# Altium PCB PCB2.PcbDoc
Units mil, origin at the board's own origin, x right, y up, seen from the top; angles counter-clockwise.
Board outline 2955 x 3770 mil, 2 copper layers (Top Layer, Bottom Layer); 101 components, 62 nets, 361 pads, 243 vias.
Unrouted connection lines stored in the file: 1.
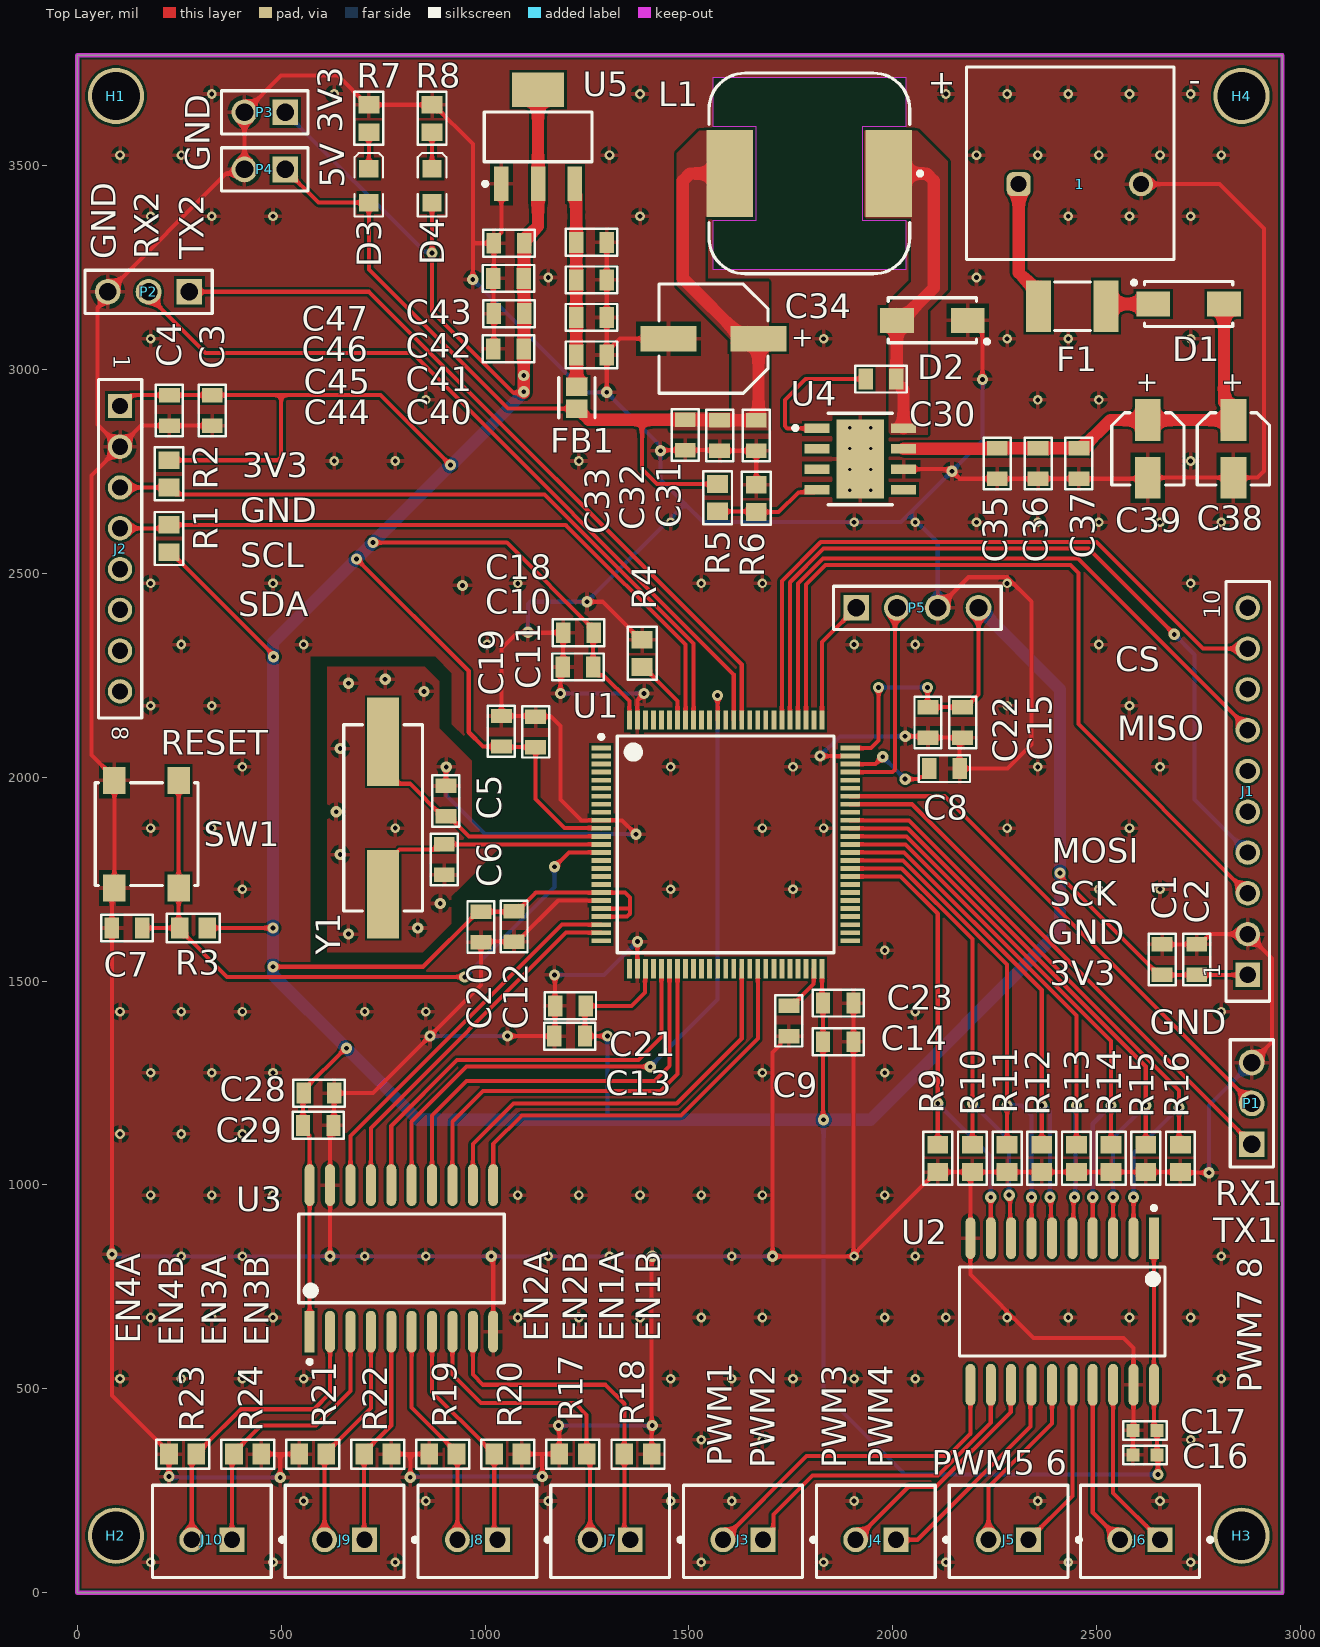
[diagram p0: Top Layer view]
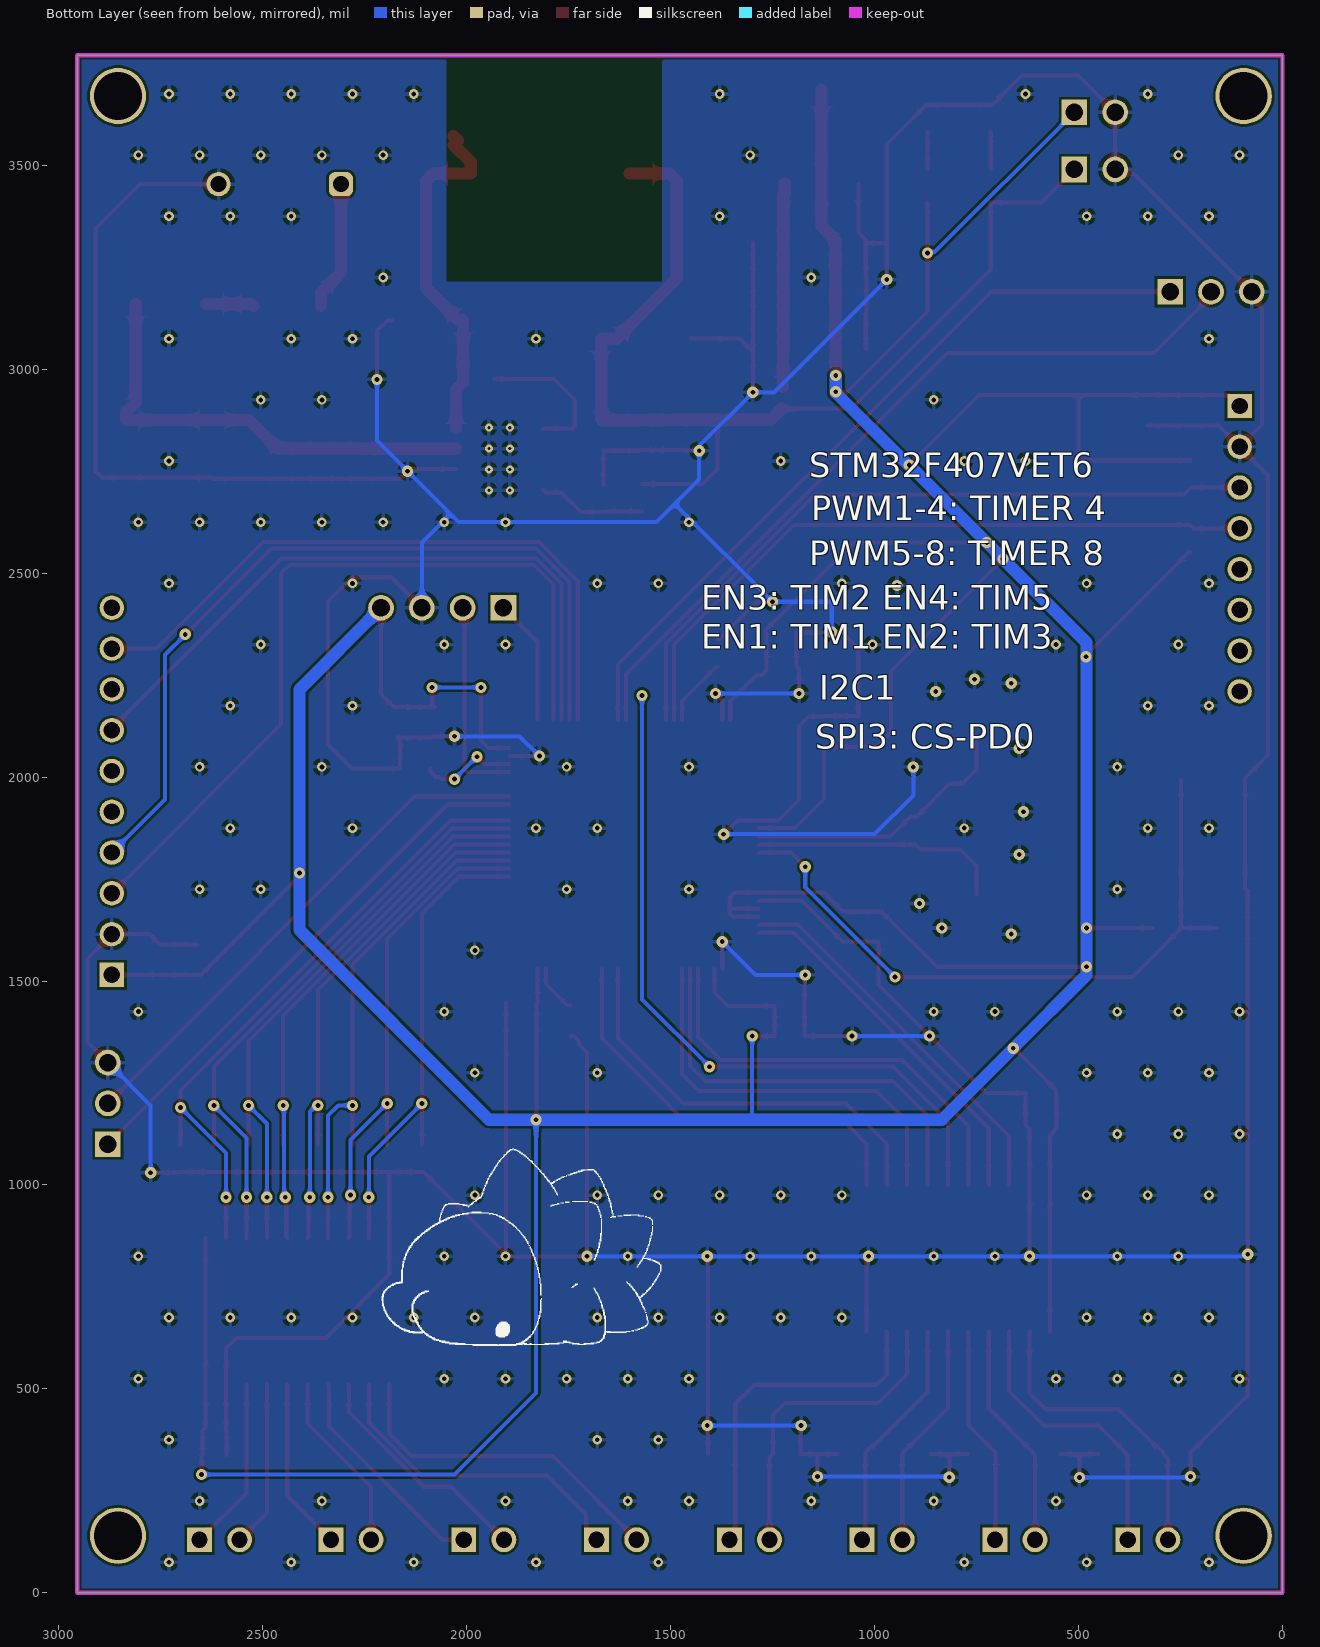
[diagram p1: Bottom Layer view, seen from below]
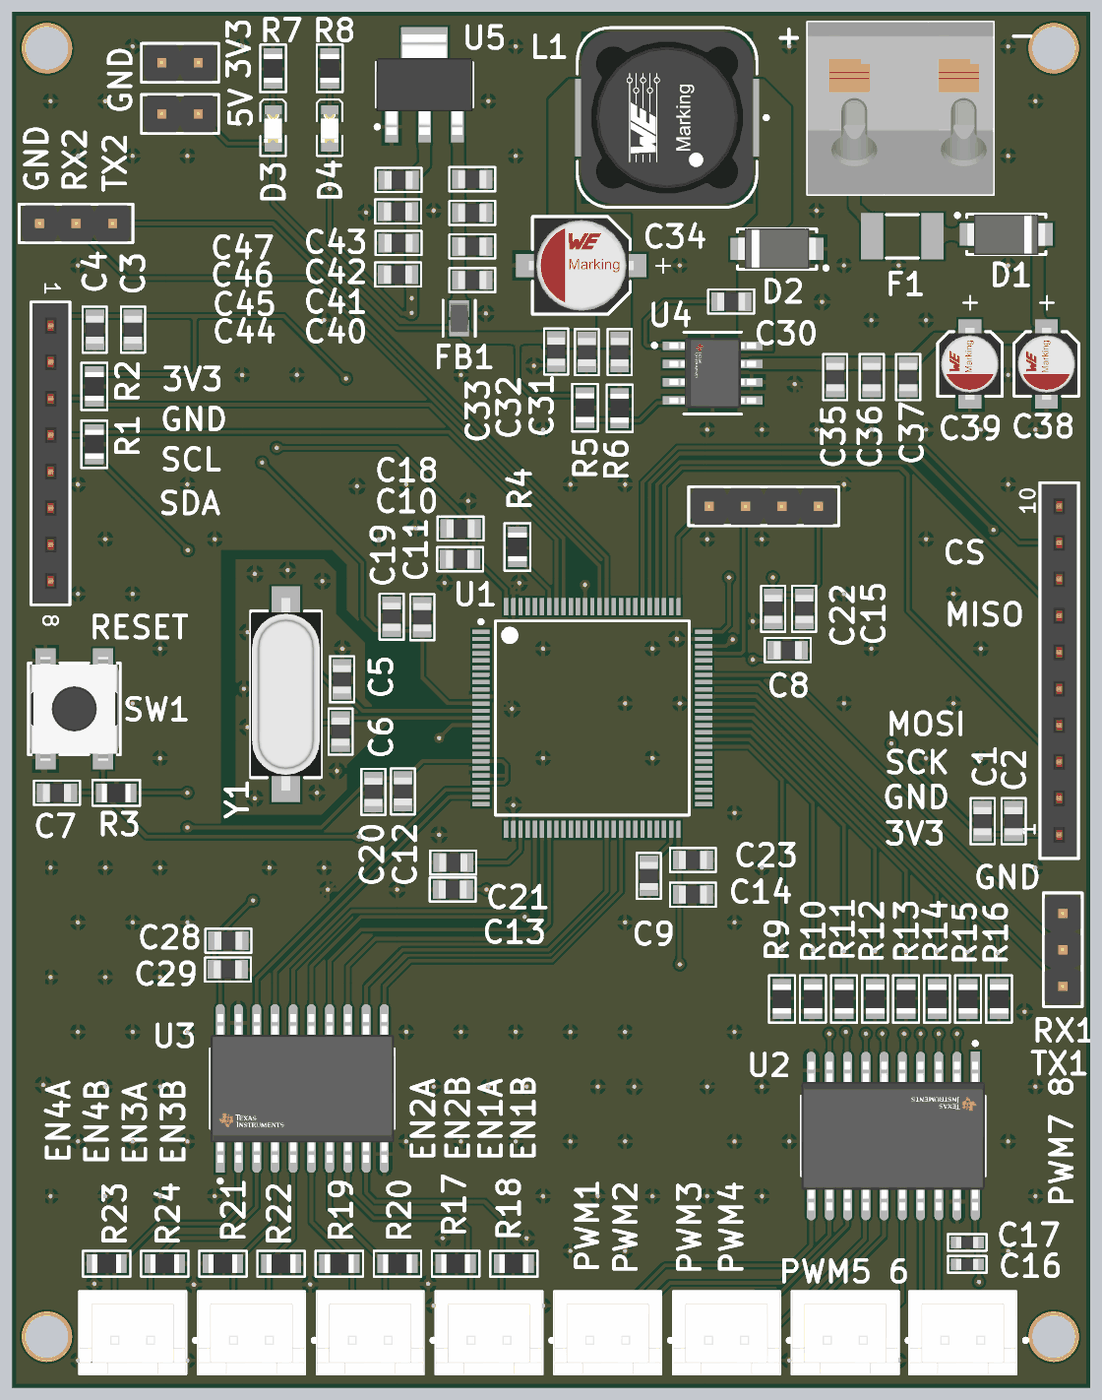
[diagram p2: 3D render of the assembled board from above, using the file's embedded part models]

## Layer stack, top to bottom
Top Solder: solder mask 0.4, Solder Resist, Dk 3.5
Top Layer: signal copper 1.4
Dielectric 1: dielectric 12.6, FR-4, Dk 4.8
Bottom Layer: signal copper 1.4
Bottom Solder: solder mask 0.4, Solder Resist, Dk 3.5

## Board outline
0,0 0,3770 2955,3770 2955,0

## Design rules (kind name [scope] priority, off if disabled: settings)
Clearance [All] p1: gap=6 ignorepadtopadclearanceinfootprint=FALSE
HoleSize [All] p1: absolutevalues=TRUE maxlimit=100 minlimit=11.81 maxpercent=80.000 minpercent=20.000
PolygonConnect [All] p1: connectstyle=Relief reliefconductorwidth=10 reliefentries=4 polygonreliefangle="90 Angle" airgapwidth=10
RoutingVias [All] p1: holewidth=11.81 width=23.62 viastyle="Through Hole" minholewidth=11.81 minwidth=23.62 maxholewidth=11.81 maxwidth=27.56
SolderMaskExpansion [IsVia] p1: expansion=4 istentingtop=TRUE
Width [All] p1: maxlimit=30 minlimit=10 preferedwidth=10 minimp=50.000000 maximp=50.000000 favimp=50.000000
29 further rules are at their usual default settings.

## Classes and differential pairs
component class Power: 1 C30 C31 C32 C33 C34 C35 C36 C37 C38 C39 C40 C41 C42 C43 C44 C45 C46 C47 D1 D2 D3 D4 F1 FB1 H1 H2 H3 H4 L1 R5 R6 R7 R8 U4 U5
component class Motor: C16 C17 C28 C29 J3 J4 J5 J6 J7 J8 J9 J10 R9 R10 R11 R12 R13 R14 R15 R16 R17 R18 R19 R20 R21 R22 R23 R24 U2 U3
component class MCU: C5 C6 C7 C8 C9 C10 C11 C12 C13 C14 C15 C18 C19 C20 C21 C22 C23 P5 R3 R4 SW1 U1 Y1
component class IMU: C1 C2 C3 C4 J1 J2 P1 P2 P3 P4 R1 R2

## Components (designator, comment, footprint, x,y, rotation, side; value= is the part's Value field where it differs from the comment)
1 "4A, 300V" 691418420002 2435,3505 r0 top
C1 "1 uF, 16 VDC" CAP_0805 2661,1551.4 r270 top
C2 "100 nF, 50 VDC" CAP_0805 2746,1551.4 r270 top value="10 nF, 50 VDC"
C3 "1 uF, 16 VDC" CAP_0805 330,2900 r90 top
C4 "100 nF, 50 VDC" CAP_0805 225,2900 r90 top value="10 nF, 50 VDC"
C5 "22 pF, 50 VDC" CAP_0805 905,1940 r270 top value="22 nF, 50 VDC"
C6 "22 pF, 50 VDC" CAP_0805 899,1798.6 r90 top value="22 nF, 50 VDC"
C7 "100 nF, 50 VDC" CAP_0805 123.4,1631 r0 top value="150 nF, 50 VDC"
C8 "2.2 uF, 25 VDC" CAP_0805 2125,2020 r180 top
C9 "2.2 uF, 25 VDC" CAP_0805 1744,1403.4 r90 top
C10 "100 nF, 50 VDC" CAP_0805 1228.6,2271 r0 top value="10 nF, 50 VDC"
C11 "100 nF, 50 VDC" CAP_0805 1125,2110 r270 top value="10 nF, 50 VDC"
C12 "100 nF, 50 VDC" CAP_0805 1070,1635 r90 top value="10 nF, 50 VDC"
C13 "100 nF, 50 VDC" CAP_0805 1208.6,1366 r0 top value="10 nF, 50 VDC"
C14 "100 nF, 50 VDC" CAP_0805 1865,1350 r180 top value="10 nF, 50 VDC"
C15 "100 nF, 50 VDC" CAP_0805 2170,2135 r90 top value="10 nF, 50 VDC"
C16 "1 uF, 16 VDC" CAP_0603 2620,335 r0 top
C17 "100 nF, 50 VDC" CAP_0603 2620,395 r0 top
C18 "1 uF, 16 VDC" CAP_0805 1230,2355 r0 top
C19 "1 uF, 16 VDC" CAP_0805 1041,2111.4 r270 top
C20 "1 uF, 16 VDC" CAP_0805 989,1633.4 r90 top
C21 "1 uF, 16 VDC" CAP_0805 1210,1440 r0 top
C22 "1 uF, 16 VDC" CAP_0805 2085,2135 r90 top
C23 "1 uF, 16 VDC" CAP_0805 1865,1445 r180 top
C28 "1 uF, 16 VDC" CAP_0805 591.6,1224 r180 top
C29 "100 nF, 50 VDC" CAP_0805 590,1145 r180 top value="10 nF, 50 VDC"
C30 "10 nF, 50 VDC" CAP_0805 1970,2975 r180 top
C31 "2.2 uF, 25 VDC" CAP_0805 1664,2838.6 r90 top
C32 "1 uF, 25 VDC" CAP_0805 1574,2838.4 r90 top
C33 "10 uF, 25 VDC" CAP_0805 1490,2840 r90 top
C34 "220uF,16VDC" WCAP-ASLI_D6.3H7.7 1560,3075 r0 top value="220uF, 16V"
C35 "2.2 uF, 35 VDC" CAP_0805 2255,2770 r90 top
C36 "1 uF, 25 VDC" CAP_0805 2355,2770 r90 top
C37 "100 nF, 50 VDC" CAP_0805 2455,2770 r90 top value="0.1 nF, 50 VDC"
C38 "4.7uF, 50V" WCAP-ASLI_D4H5.5 2835,2805 r90 top
C39 "4.7uF, 50V" WCAP-ASLI_D4H5.5 2625,2805 r90 top
C40 "4.7 uF, 25 VDC" CAP_0805 1260,3034 r180 top
C41 "2.2 uF, 35 VDC" CAP_0805 1260,3126 r180 top
C42 "1 uF, 25 VDC" CAP_0805 1260,3218 r180 top
C43 "100 nF, 50 VDC" CAP_0805 1260,3310 r180 top value="0.1 nF, 50 VDC"
C44 "4.7 uF, 25 VDC" CAP_0805 1058.6,3223.67 r0 top
C45 "2.2 uF, 35 VDC" CAP_0805 1058.6,3051 r0 top
C46 "1 uF, 25 VDC" CAP_0805 1060,3137.33 r0 top
C47 "100 nF, 50 VDC" CAP_0805 1060,3310 r0 top value="0.1 nF, 50 VDC"
D1 "D Schottky" SS34 2725,3160 r0 top
D2 "D Schottky" SS34 2096.61,3120 r180 top
D3 "LED SMD" LED_0805_Blue 715,3450 r90 top
D4 "LED SMD" LED_0805_Blue 870,3450 r90 top
F1 "Fuse" "FUSE SMD" 2440,3155 r0 top
FB1 "ILHB0805ER601V" FP-ILHB-0805-IPC_C 1225,2930 r90 top
H1 "Hole" "LO KHOAN 3MM" 95,3670 r0 top
H2 "Hole" "LO KHOAN 3MM" 95,140 r0 top
H3 "Hole" "LO KHOAN 3MM" 2855,140 r0 top
H4 "Hole" "LO KHOAN 3MM" 2855,3670 r0 top
J1 "61301011821" 61301011821 2870,1965 r90 top
J2 "61300811821" 61300811821 105,2560 r270 top
J3 "B2B-XH-A(LF)(SN)" FP-B2B-XH-A_LF_SN-MFG 1632.41,150.67 r180 top
J4 "B2B-XH-A(LF)(SN)" FP-B2B-XH-A_LF_SN-MFG 1958.01,150.67 r180 top
J5 "B2B-XH-A(LF)(SN)" FP-B2B-XH-A_LF_SN-MFG 2283.61,150.67 r180 top
J6 "B2B-XH-A(LF)(SN)" FP-B2B-XH-A_LF_SN-MFG 2605.79,150.67 r180 top
J7 "B2B-XH-A(LF)(SN)" FP-B2B-XH-A_LF_SN-MFG 1306.81,150.67 r180 top
J8 "B2B-XH-A(LF)(SN)" FP-B2B-XH-A_LF_SN-MFG 981.2,150.67 r180 top
J9 "B2B-XH-A(LF)(SN)" FP-B2B-XH-A_LF_SN-MFG 655.6,150.67 r180 top
J10 "B2B-XH-A(LF)(SN)" FP-B2B-XH-A_LF_SN-MFG 330,150.67 r180 top
L1 "744770118" WE-PD_1280 1795.12,3480 r90 top
P1 "61300311121" 61300311121 2880,1200 r90 top
P2 "61300311121" 61300311121 175,3190 r180 top
P3 "61300211121" 61300211121 460,3630 r180 top
P4 "61300211121" 61300211121 460,3490 r180 top
P5 "61300411121" 61300411121 2060,2415 r0 top
R1 "10 KOhm, 1/8 W" RESISTOR_0805 225,2585 r90 top
R2 "10 KOhm, 1/8 W" RESISTOR_0805 225,2743.46 r270 top
R3 "10 KOhm, 1/8 W" RESISTOR_0805 285,1630 r0 top
R4 "10 KOhm, 1/8 W" RESISTOR_0805 1385,2303.46 r270 top
R5 "10 KOhm, 1/8 W" RESISTOR_0805 1570,2685 r90 top
R6 "3.3 KOhm, 1/8 W" RESISTOR_0805 1665,2683.46 r270 top
R7 "10 KOhm, 1/8 W" RESISTOR_0805 715,3615 r270 top
R8 "1 KOhm, 1/8 W" RESISTOR_0805 870,3615 r270 top
R9 "1 KOhm, 1/8 W" RESISTOR_0805 2110,1065 r90 top
R10 "1 KOhm, 1/8 W" RESISTOR_0805 2195,1065 r90 top
R11 "1 KOhm, 1/8 W" RESISTOR_0805 2280,1065 r90 top
R12 "1 KOhm, 1/8 W" RESISTOR_0805 2365,1065 r90 top
R13 "1 KOhm, 1/8 W" RESISTOR_0805 2450,1065 r90 top
R14 "1 KOhm, 1/8 W" RESISTOR_0805 2535,1065 r90 top
R15 "1 KOhm, 1/8 W" RESISTOR_0805 2620,1065 r90 top
R16 "1 KOhm, 1/8 W" RESISTOR_0805 2705,1065 r90 top
R17 "1 KOhm, 1/8 W" RESISTOR_0805 1215.49,340 r0 top
R18 "1 KOhm, 1/8 W" RESISTOR_0805 1375,340 r180 top
R19 "1 KOhm, 1/8 W" RESISTOR_0805 896.48,340 r0 top
R20 "1 KOhm, 1/8 W" RESISTOR_0805 1055.99,340 r180 top
R21 "1 KOhm, 1/8 W" RESISTOR_0805 577.47,340 r0 top
R22 "1 KOhm, 1/8 W" RESISTOR_0805 736.98,340 r180 top
R23 "1 KOhm, 1/8 W" RESISTOR_0805 258.46,340 r0 top
R24 "1 KOhm, 1/8 W" RESISTOR_0805 417.97,340 r180 top
SW1 "430483035816" WS-TASV_L6W6H3.5_4304x30358x6 170,1860 r270 top
U1 "STM32F407VET6" STM-LQFP100_V 1590,1835 r0 top
U2 "SN74HC245DWR" FP-DW0020A-IPC_A 2415,689.74 r270 top
U3 "SN74HC245DWR" FP-DW0020A-IPC_A 795,820 r90 top
U4 "TPS5430DDA" FP-DDA0008J-MFG 1920,2780 r0 top
U5 "3.3V, 1A" "AMS1117-3.3V SOT223" 1130,3570 r90 top
Y1 "8MHz" WE-XTAL_HC49/4HSMX 750,1900 r270 top

## Footprints (in the part's own frame and the unit in brackets; to place one, negate y for a bottom-side part, rotate by r counter-clockwise, add the part's x,y. Pads: shape width x height; smd on the part's side, far side on the other; paste and mask are expansions set on the pad)
61300211121 [mm] "Pin Header, pitch 2.54 mm, THT, Vertical, single row, 2p"
  rect 1.6x1.6 hole 1.1: 1(-1.27,0)
  round 1.6 hole 1.1: 2(1.27,0)
  silkscreen extent -2.69,-1.35 2.69,1.35, body extent -2.54,-1.27 2.54,1.27, height 8.57
61300311121 [mm] "Pin Header, pitch 2.54 mm, THT, Vertical, single row, 3p"
  rect 1.6x1.6 hole 1.1: 1(-2.54,0)
  round 1.6 hole 1.1: 2(0,0) 3(2.54,0)
  silkscreen extent -3.96,-1.35 3.96,1.35, body extent -3.81,-1.27 3.81,1.27, height 8.57
61300411121 [mm] "Pin Header, pitch 2.54 mm, THT, Vertical, single row, 4p"
  rect 1.6x1.6 hole 1.1: 1(-3.81,0)
  round 1.6 hole 1.1: 2(-1.27,0) 3(1.27,0) 4(3.81,0)
  silkscreen extent -5.23,-1.35 5.23,1.35, body extent -5.08,-1.27 5.08,1.27, height 8.57
61300811821 [mm] "Socket Header, Pitch 2.54 mm, THT, Vertical, single row, 8p"
  rect 1.52x1.52 hole 1.02: 1(-8.89,0)
  round 1.52 hole 1.02: 2(-6.35,0) 3(-3.81,0) 4(-1.27,0) 5(1.27,0) 6(3.81,0) 7(6.35,0) 8(8.89,0)
  silkscreen extent -10.54,-1.35 10.54,1.35, body extent -10.41,-1.25 10.41,1.25, height 8.55
61301011821 [mm] "Socket Header, Pitch 2.54 mm, THT, Vertical, single row, 10p"
  rect 1.52x1.52 hole 1.02: 1(-11.43,0)
  round 1.52 hole 1.02: 2(-8.89,0) 3(-6.35,0) 4(-3.81,0) 5(-1.27,0) 6(1.27,0) 7(3.81,0) 8(6.35,0) 9(8.89,0) 10(11.43,0)
  silkscreen extent -13.08,-1.35 13.08,1.35, body extent -12.95,-1.25 12.95,1.25, height 8.55
691418420002 [mm] "7.62 mm 45deg Entry Screwless, 2p"
  rrect50% 1.5x1.5 hole 1: 1(-3.215,-1.3)
  round 1.5 hole 1: 2(4.405,-1.3)
  silkscreen extent -6.47,-6 6.46,6, body extent -6.46,-6 6.47,6, height 13.28
"AMS1117-3.3V SOT223" [mm] "SOT223, 4-Leads, Body 6.51x7.00mm, Pitch 2.29mm"
  rect 2.15x0.9 smd: 1(-2.93,2.29) 2(-2.93,0) 3(-2.93,-2.29)
  rect 2.15x3.25 smd: 4(2.93,0)
  silkscreen extent -3.05,-3.35 1.55,3.41, body extent -3.5,-3.35 3.5,3.35, height 1.8
CAP_0603 [mm]
  rect 0.8x0.8 smd: 1(-0.801,0.076) 2(0.699,0.076)
  silkscreen extent -1.4,-0.51 1.3,0.66, body extent -0.85,-0.32 0.75,0.48, height 0.8
CAP_0805 [mm]
  rect 0.9x1.3 smd: 1(-0.975,-0.025) 2(0.925,-0.025)
  silkscreen extent -1.63,-0.86 1.57,0.81, body extent -1.03,-0.65 0.97,0.6, height 0.6
FP-B2B-XH-A_LF_SN-MFG [mm]
  rect 1.55x1.55 hole 1 paste-1000 mask+0: 1(-1.25,0.525)
  round 1.55 hole 1 paste-1000 mask+0: 2(1.25,0.525)
  silkscreen extent -4.5,-2.88 3.7,2.88, body extent -3.8,-2.98 3.8,2.98, height 0.25
FP-DDA0008J-MFG [mm]
  rect 1.55x0.6 smd paste+0 mask+0: 1(-2.7,1.905) 2(-2.7,0.635) 3(-2.7,-0.635) 4(-2.7,-1.905) 5(2.7,-1.905) 6(2.7,-0.635) 7(2.7,0.635) 8(2.7,1.905)
  rect 2.95x4.9 smd paste-1000 mask-1000: 9(0,0)
  silkscreen extent -4.17,-2.85 2,2.85, body extent -3.57,-2.75 3.57,2.75, height 0.25
FP-DW0020A-IPC_A [mil]
  rect 102.47x24.49 smd paste+0 mask+0: 1(-179.74,225)
  rrect100% 102.47x24.49 smd paste+0 mask+0: 2(-179.74,175) 3(-179.74,125) 4(-179.74,75) 5(-179.74,25) 6(-179.74,-25) 7(-179.74,-75) 8(-179.74,-125) 9(-179.74,-175) 10(-179.74,-225) 11(179.74,-225) 12(179.74,-175) 13(179.74,-125) 14(179.74,-75) 15(179.74,-25) 16(179.74,25) 17(179.74,75) 18(179.74,125) 19(179.74,175) 20(179.74,225)
  silkscreen extent -259,-252 109,252, body extent -251,-272 251,272, height 10
FP-ILHB-0805-IPC_C [mil]
  rect 45.45x53.39 smd paste+0 mask+0: 1(-26.61,0) 2(26.61,0)
  silkscreen extent -49,-44 49,44, body extent -53,-32 53,32, height 10
"FUSE SMD" [mm]
  rect 1.55x3.21 smd: 1(-2.1,0) 2(2.1,0)
  silkscreen extent -1.12,-1.52 1.12,1.5, body extent -2.37,-1.71 2.36,1.71, height 0.75
LED_0805_Blue [mm]
  rect 1.1x1.2 smd: 1(-1.05,0) 2(1.05,0)
  silkscreen extent -1.91,-0.89 2.03,0.89, body extent -1,-0.63 1,0.62, height 0.68
"LO KHOAN 3MM" [mil]
  round 138 hole 118.1: 1(0,0)
RESISTOR_0805 [mm] "Chip Resistor, 2-Leads, Body 2,00x1,20mm, IPC Medium Density"
  rect 1.1x1.3 smd: 1(-0.85,0) 2(0.85,0)
  silkscreen extent -1.65,-0.9 1.65,0.9, body extent -1,-0.65 1,0.65, height 0.45
SS34 [mm]
  rect 2.1x1.55 smd: 1(-2.2,0) 2(2.2,0)
  silkscreen extent -3.52,-1.4 2.75,1.45, body extent -2.75,-1.42 2.75,1.38, height 2.3
STM-LQFP100_V [mm] "Thin QFP, 100-Leads, Body 14x14mm, Pitch 0.5mm, ST Recommended"
  rect 1.2x0.3 smd: 1(-7.75,6) 2(-7.75,5.5) 3(-7.75,5) 4(-7.75,4.5) 5(-7.75,4) 6(-7.75,3.5) 7(-7.75,3) 8(-7.75,2.5) 9(-7.75,2) 10(-7.75,1.5) 11(-7.75,1) 12(-7.75,0.5) 13(-7.75,0) 14(-7.75,-0.5) 15(-7.75,-1) 16(-7.75,-1.5) 17(-7.75,-2) 18(-7.75,-2.5) 19(-7.75,-3) 20(-7.75,-3.5) 21(-7.75,-4) 22(-7.75,-4.5) 23(-7.75,-5) 24(-7.75,-5.5) 25(-7.75,-6) 51(7.75,-6) 52(7.75,-5.5) 53(7.75,-5) 54(7.75,-4.5) 55(7.75,-4) 56(7.75,-3.5) 57(7.75,-3) 58(7.75,-2.5) 59(7.75,-2) 60(7.75,-1.5) 61(7.75,-1) 62(7.75,-0.5) 63(7.75,0) 64(7.75,0.5) 65(7.75,1) 66(7.75,1.5) 67(7.75,2) 68(7.75,2.5) 69(7.75,3) 70(7.75,3.5) 71(7.75,4) 72(7.75,4.5) 73(7.75,5) 74(7.75,5.5) 75(7.75,6)
  rect 0.3x1.2 smd: 26(-6,-7.75) 27(-5.5,-7.75) 28(-5,-7.75) 29(-4.5,-7.75) 30(-4,-7.75) 31(-3.5,-7.75) 32(-3,-7.75) 33(-2.5,-7.75) 34(-2,-7.75) 35(-1.5,-7.75) 36(-1,-7.75) 37(-0.5,-7.75) 38(0,-7.75) 39(0.5,-7.75) 40(1,-7.75) 41(1.5,-7.75) 42(2,-7.75) 43(2.5,-7.75) 44(3,-7.75) 45(3.5,-7.75) 46(4,-7.75) 47(4.5,-7.75) 48(5,-7.75) 49(5.5,-7.75) 50(6,-7.75) 76(6,7.75) 77(5.5,7.75) 78(5,7.75) 79(4.5,7.75) 80(4,7.75) 81(3.5,7.75) 82(3,7.75) 83(2.5,7.75) 84(2,7.75) 85(1.5,7.75) 86(1,7.75) 87(0.5,7.75) 88(0,7.75) 89(-0.5,7.75) 90(-1,7.75) 91(-1.5,7.75) 92(-2,7.75) 93(-2.5,7.75) 94(-3,7.75) 95(-3.5,7.75) 96(-4,7.75) 97(-4.5,7.75) 98(-5,7.75) 99(-5.5,7.75) 100(-6,7.75)
  silkscreen extent -7.87,-6.75 6.75,6.82, body extent -7,-7 7,7, height 1.6
WCAP-ASLI_D4H5.5 [mm] "Aluminium Electrolytic V-Chip SMT Capacitors, 4x5.5mm"
  rect 2.6x1.6 smd: 1(1.8,0) 2(-1.8,0)
  silkscreen extent -2.25,-2.25 2.25,2.25, body extent -2.5,-2.15 2.5,2.15, height 5.5
WCAP-ASLI_D6.3H7.7 [mm] "Aluminium Electrolytic V-Chip SMT Capacitors, 6.3x7.7mm"
  rect 3.5x1.6 smd: 1(2.8,0) 2(-2.8,0)
  silkscreen extent -3.4,-3.4 3.4,3.4, body extent -3.65,-3.3 3.65,3.3, height 7.7
WE-PD_1280 [mm] "SMT Shielded Power Inductor, 2-leads, body 12x12mm"
  rect 5.4x2.9 smd: 1(0,-4.95) 2(0,4.95)
  Top Layer keep-out region: -6,6 -2.9,6 -2.9,3.3 2.9,3.3 2.9,6 6,6 6,-6 2.9,-6 2.9,-3.3 -2.9,-3.3 -2.9,-6 -6,-6
  silkscreen extent -6.25,-7.02 6.25,6.25, body extent -6,-6 6,6, height 7.51
WE-XTAL_HC49/4HSMX [mm] "Quartz Crystal, size HC49/4HSMX, body 11.4x4.9mm"
  rect 5.5x2 smd: 1(-4.75,0) 2(4.75,0)
  silkscreen extent -5.8,-2.45 5.8,2.45, body extent -6.7,-2.45 6.7,2.45, height 4.3
WS-TASV_L6W6H3.5_4304x30358x6 [mm]
  rect 1.7x1.4 smd: A1(-3.35,2) A2(3.35,2) B1(-3.35,-2) B2(3.35,-2)
  silkscreen extent -3.2,-3.2 3.2,3.2, body extent -3.6,-3.1 3.6,3.1, height 3.5
